# Altium PCB RS_Sensor.PcbDoc (continued)
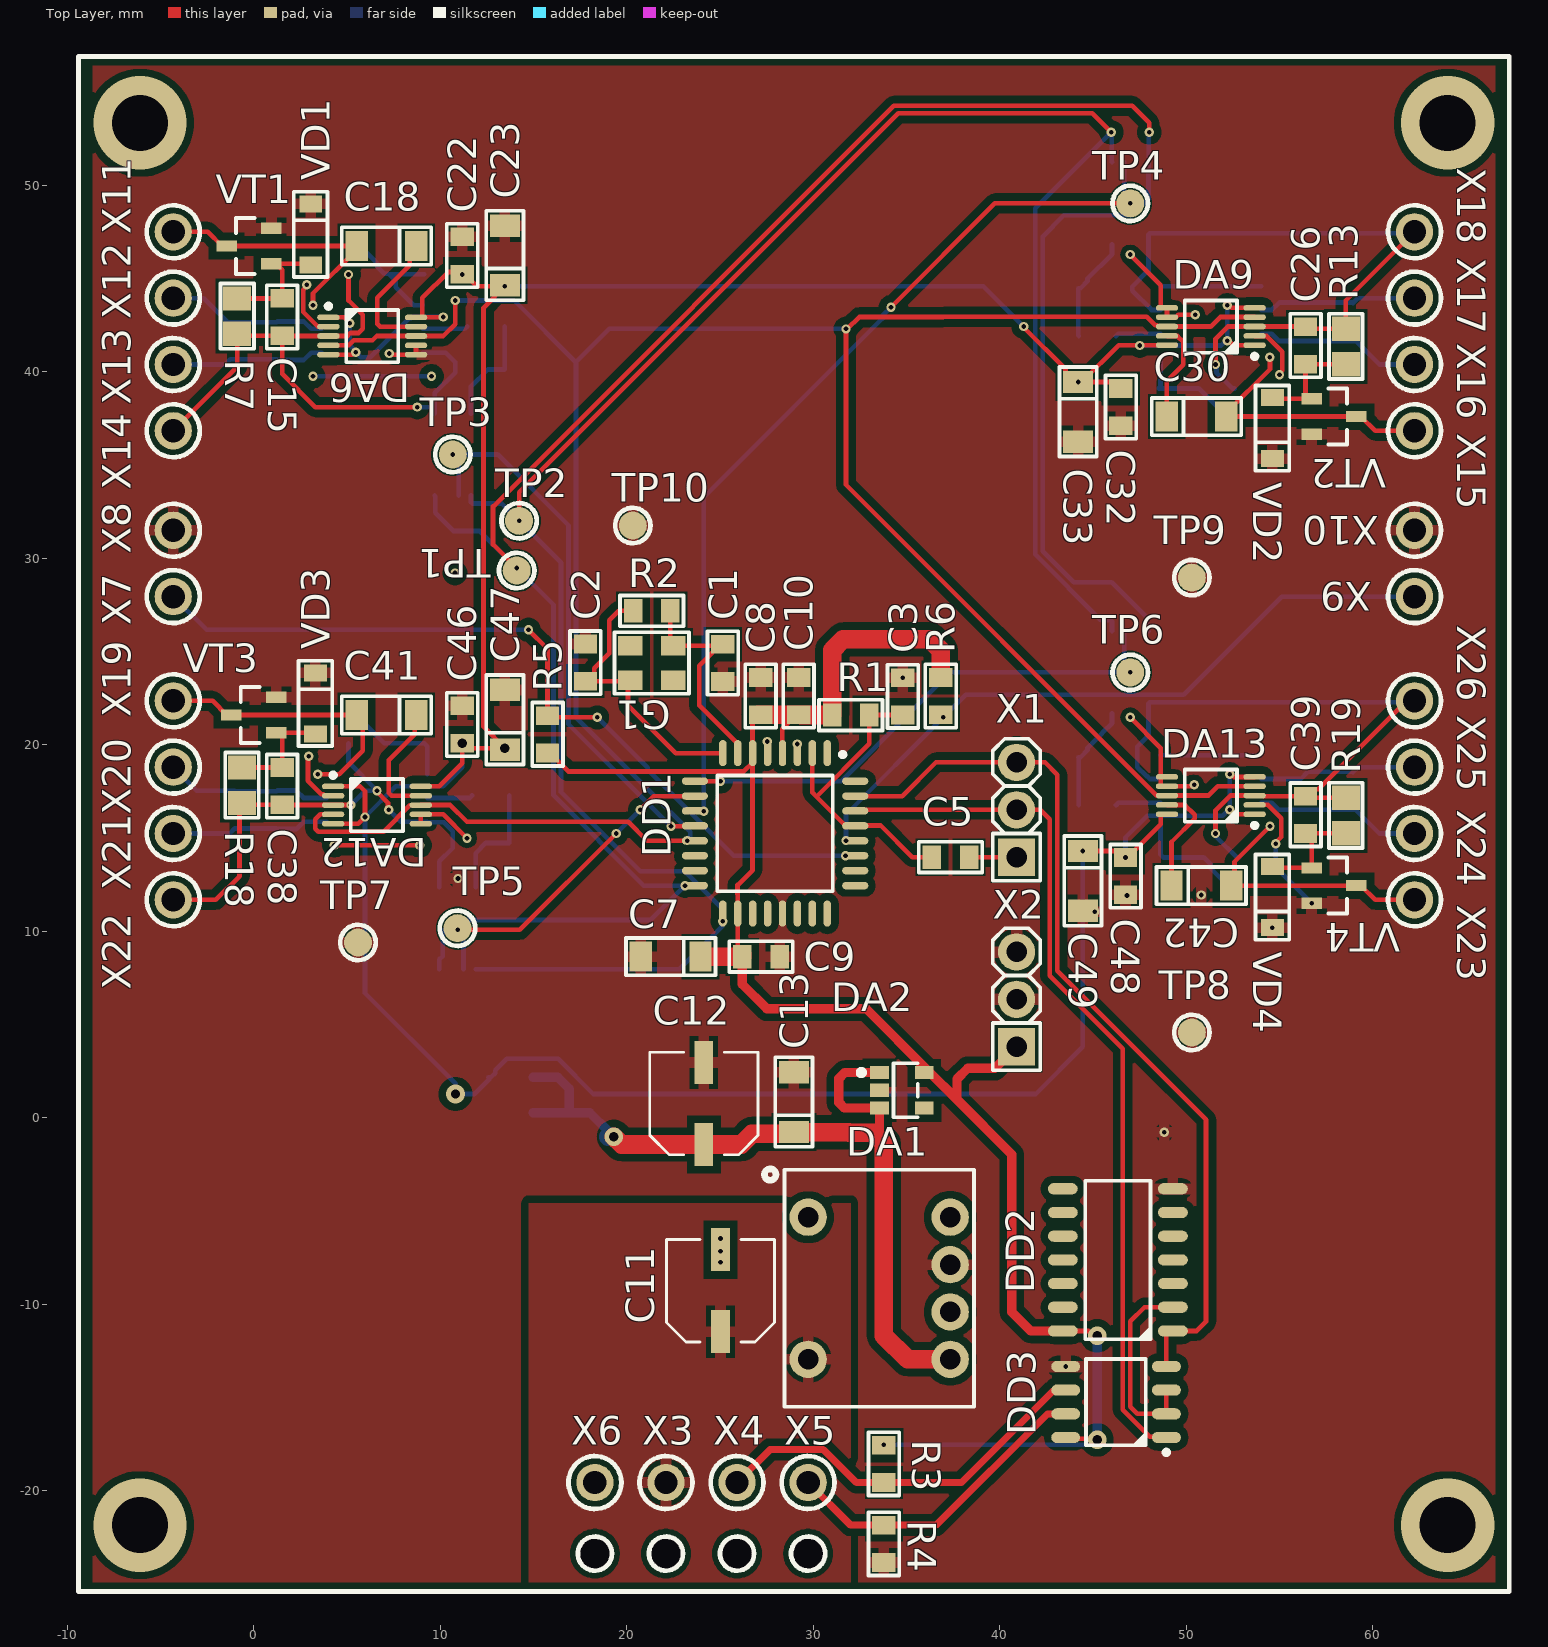
[diagram p0: Top Layer view]
## Components (designator, comment, footprint, x,y, rotation, side; value= is the part's Value field where it differs from the comment) (continued)

## Footprints (in the part's own frame and the unit in brackets; to place one, negate y for a bottom-side part, rotate by r counter-clockwise, add the part's x,y. Pads: shape width x height; smd on the part's side, far side on the other; paste and mask are expansions set on the pad)
8-MSOP [mm] "pitch 0.65 mm"
  rect 0.4x1.45 smd: 1(-0.975,-2.2) 2(-0.325,-2.2) 3(0.325,-2.2) 4(0.975,-2.2) 5(0.975,2.2) 6(0.325,2.2) 7(-0.325,2.2) 8(-0.975,2.2)
  round 0.5 on Bottom Overlay: ""(-1.675,-2.1)
  round 0.5 on Mech1: ""(-1.075,-2)
  silkscreen extent -1.42,-1.31 1.45,1.3, body extent -1.5,-2.45 1.5,2.45, height 1.15
8-SOIC [mm] "pitch 1.27 mm"
  rrect100% 1.55x0.6 smd: 1(-2.7,1.905) 2(-2.7,0.635) 3(-2.7,-0.635) 4(-2.7,-1.905) 5(2.7,-1.905) 6(2.7,-0.635) 7(2.7,0.635) 8(2.7,1.905)
  round 0.7 on Mech1: 28(-2.395,1.8)
  silkscreen extent -2.82,-2.3 1.61,2.82, body extent -3,-2.45 3,2.45, height 1.75
10-MSOP [mm] "3x3 mm, pitch 0.5 mm"
  rrect100% 1.2x0.3 smd: 1(-2.35,1) 2(-2.35,0.5) 3(-2.35,0) 4(-2.35,-0.5) 5(-2.35,-1) 6(2.35,-1) 7(2.35,-0.5) 8(2.35,0) 9(2.35,0.5) 10(2.35,1)
  round 0.5 on Mech1: ""(-2.1,1.1)
  silkscreen extent -2.47,-1.4 1.4,1.72, body extent -2.5,-1.5 2.5,1.5, height 1.1
14-SOIC [mm] "pitch 1.27 mm"
  rrect100% 1.6x0.6 smd: 1(0,0) 2(0,-1.27) 3(0,-2.54) 4(0,-3.81) 5(0,-5.08) 6(0,-6.35) 7(0,-7.62) 8(5.9,-7.62) 9(5.9,-6.35) 10(5.9,-5.08) 11(5.9,-3.81) 12(5.9,-2.54) 13(5.9,-1.27) 14(5.9,0)
  rrect100% 0.5x0.5 on Top Overlay: ""(0,0.8)
  round 0.5 on Mech1: ""(0.5,0)
  silkscreen extent 1.2,-8.05 4.7,0.45, body extent -0.12,-8.15 6.02,0.55, height 1.78
32-LQFP [mm] "pitch 0.8 mm"
  rrect100% 1.4x0.4 smd: 1(-4.3,2.8) 2(-4.3,2) 3(-4.3,1.2) 4(-4.3,0.4) 5(-4.3,-0.4) 6(-4.3,-1.2) 7(-4.3,-2) 8(-4.3,-2.8) 17(4.3,-2.8) 18(4.3,-2) 19(4.3,-1.2) 20(4.3,-0.4) 21(4.3,0.4) 22(4.3,1.2) 23(4.3,2) 24(4.3,2.8)
  rrect100% 0.4x1.4 smd: 9(-2.8,-4.3) 10(-2,-4.3) 11(-1.2,-4.3) 12(-0.4,-4.3) 13(0.4,-4.3) 14(1.2,-4.3) 15(2,-4.3) 16(2.8,-4.3) 25(2.8,4.3) 26(2,4.3) 27(1.2,4.3) 28(0.4,4.3) 29(-0.4,4.3) 30(-1.2,4.3) 31(-2,4.3) 32(-2.8,4.3)
  round 0.5 on Mech1: ""(-4,4)
  silkscreen extent -4.35,-3.1 3.1,3.75, body extent -4.57,-4.57 4.57,4.57, height 1.62
"CAP: 0805" [mm]
  rect 1x1.25 smd: 1(-1,0) 2(1,0)
  silkscreen extent -1.7,-0.82 1.7,0.82, body extent -1,-0.62 1,0.63, height 0.78
"CAP: TANTAL-A" [mm]
  rect 1.2x1.6 smd: 1(-1.6,0) 2(1.6,0)
  silkscreen extent -2.4,-1 2.4,1, body extent -1.7,-0.84 1.7,0.84, height 1.71
CAPAE-C [mm] "Aluminum Electrolytic Capacitor, Body 5,40x5,80x5,70mm, IPC Medium Density"
  rect 2.3x1 smd: 1(-2.2,0) 2(2.2,0)
  silkscreen extent -2.75,-2.9 2.75,2.9, body extent -3.25,-2.9 3.25,2.9, height 5.7
"CON: PLS-3" [mm]
  rect 2x2 hole 1.1: 1(-2.54,0)
  round 2 hole 1.1: 2(0,0) 3(2.54,0)
  silkscreen extent -3.81,-1.27 3.81,1.27, body extent -3.81,-1.27 3.81,1.27, height 8.54
"DIODE: SOD123" [mm]
  rect 0.91x1.22 smd: 1(0,0) 2(3.275,0)
  silkscreen extent -0.65,-0.9 3.93,0.9, body extent -0.25,-0.8 3.45,0.8, height 1.25
MOD_AM1P-Z [mm]
  round 2 hole 1.1: 1(-2.54,-6.35) 4(5.08,-6.35) 5(5.08,1.27) 6(2.54,1.27) 7(0,1.27) 8(-2.54,1.27)
  silkscreen extent -5.18,-8.74 7.62,2.54, body extent -5.08,-7.62 7.62,2.54, height 6.85
"OSC: 3225" [mm]
  rect 1.3x1.05 smd: 1(-1.15,-0.925) 2(1.15,-0.925) 3(1.15,0.925) 4(-1.15,0.925)
  round 0.5 on Top Overlay: ""(-2.5,-1.5)
  silkscreen extent -2,-1.65 2,1.65, body extent -1.6,-1.25 1.6,1.25, height 0.81
PowerSingle [mm]
  round 2 hole 1.25: 1(0,0)
  silkscreen extent -1.42,-1.42 1.42,1.42
"RES: 0805" [mm]
  rect 1x1.25 smd: 1(-1,0) 2(1,0)
  silkscreen extent -1.7,-0.82 1.7,0.82, body extent -1,-0.6 1,0.6, height 0.48
RES_0805 [mm]
  rect 1.3x1.5 smd mask+0: 1(1,0.127) 2(-0.9,0.127)
  silkscreen extent -1.7,-0.77 1.8,1.03
SOT23 [mm]
  rect 1.1x0.6 smd: 1(-1.2,0.95) 2(-1.2,-0.95) 3(1.2,0)
  round 0.5 on Mech1: ""(-0.9,1.1)
  silkscreen extent -0.3,-1.5 0.7,1.5, body extent -1.32,-1.52 1.32,1.52, height 1.12
SOT-23-5 [mm]
  rect 0.7x1 smd: 1(-0.9,-1.25) 2(0.05,-1.25) 3(1,-1.25) 4(1,1.15) 5(-0.9,1.15)
  silkscreen extent -1.4,-2.37 1.5,0.8, body extent -1.5,-1.5 1.5,1.5, height 1.3
TestPoint [mm]
  round 1.5 smd: 1(0,0)
  silkscreen extent -0.95,-0.95 0.95,0.95

## Part data
C1 C2: library part "22 pF 50V 5%", "50V 22pF C0G ±5% 0805 Multilayer Ceramic Capacitors MLCC - SMD/SMT ROHS", LCSC Part Number=C24658, Manufacturer="FH(Guangdong Fenghua Advanced Tech)", Tolerance=5%, Voltage="50 V", Capacitance="22 pF", Marker=0805CG220J500NT, Shop Link=?, Values="22 pF 50V 5%"
C3: library part "1 uF 50V 20%", "Ceramic capacitor 0805 surface mount", LCSC Part Number=C28323, Manufacturer="Samsung Electro-Mechanics", Tolerance=20%, Voltage="50 V", Capacitance="1 uF", Marker=CL21B105KBFNNNE, Shop Link=?, Values="1 uF 50V 20%"
C4 C6 C8 C9 C10: library part "100 pF 50V 5%", "Ceramic capacitor 0805 surface mount", LCSC Part Number=C1790, Manufacturer="Samsung Electro-Mechanics", Tolerance=5%, Voltage="50 V", Capacitance="100 pF", Marker=CL21C101JBANNNC, Shop Link=?, Values="100 pF 50V 5%"
C5: library part "0.1 uF 50V 20%", "Ceramic capacitor 0805 surface mount", LCSC Part Number=C49678, Manufacturer=Yageo, Tolerance=20%, Voltage="50 V", Capacitance="0.1 uF", Marker=CC0805KRX7R9BB104, Shop Link=?, Values="0.1 uF 50V 20%"
C7 C13 C14: library part "10uF 16V 10%", "10uF 16V 3Ω@100kHz -55℃~+125℃ ±10% CASE-A_3216 Tantalum Capacitors ROHS", CapValue="10 uF", LCSC Part Number=C7171, Manufacturer=AVX, Package="CASE A SMD 1206 (3216-18)", Tolerance=10%, Voltage="16 V", Marker=TAJA106K016RNJ
C11: library part "47uF 25V", "-45℃~+105℃ 1000hrs@105℃ 100uF 7.7mm 25V 6.3mm ±20% SMD,D6.3xL7.7mm Aluminum Electrolytic Capacitors - SMD ROHS", Capacitance="100 uF", LCSC Part Number=C176675, Manufacturer=Lelon, Voltage="25 V", Marker=VES101M1ETR-0607
C12: library part "47uF 25V", "1000hrs@105℃ -45℃~+105℃ 47uF 5.3mm 25V 6.3mm ±20% SMD,6.3x5.3mm Aluminum Electrolytic Capacitors - SMD ROHS", Capacitance="47 uF", LCSC Part Number=C176679, Manufacturer=Lelon, Voltage="25 V", Marker=VES470M1ETR-0605
C15 C16 C19 C22 C24 C26 C27 C31 C32 C35 C38 C39 C40 C44 C46 C48: library part "3.3 uF 16V 10%", "16V 3.3uF X7R ±10% 0805 Multilayer Ceramic Capacitors MLCC - SMD/SMT ROHS", LCSC Part Number=C38332, Manufacturer="FH(Guangdong Fenghua Advanced Tech)", Tolerance=10%, Voltage="16 V", Capacitance="3.3 uF", Marker=0805B335K160NT, Shop Link=?, Values="3.3 uF 16V 10%"
C17 C21 C25 C29 C34 C37 C43 C50: library part "2.2 nF 50V 10%", "50V 2.2nF X7R ±10% 0805 Multilayer Ceramic Capacitors MLCC - SMD/SMT ROHS", LCSC Part Number=C64592, Manufacturer="Samsung Electro-Mechanics", Tolerance=10%, Voltage="50 V", Capacitance="2.2 nF", Marker=CL21B222KBCNNNC, Shop Link=?, Values="2.2 nF 50V 10%"
C18 C23 C30 C33 C41 C42 C47 C49: library part "1uF 16V 10%", "1uF 16V -55℃~+125℃ ±10% CASE-A_3216 Tantalum Capacitors ROHS", CapValue="1 uF", LCSC Part Number=C7174, Manufacturer=AVX, Package="CASE A SMD 1206 (3216-18)", Tolerance=10%, Voltage="16 V", Marker=TAJA105K016RNJ
C20 C28 C36 C45: library part "1.5 nF 50V 20%(Ext)", "Ceramic capacitor 0805 surface mount", LCSC Part Number=C159768, Manufacturer="Samsung Electro-Mechanics", Tolerance=20%, Values="1.5 nF 50V 20%", Voltage="50 V", Capacitance="1.5 nF", Marker=CL21C152JBFNNNE, Shop Link=?
DA1: "1W, FIXED INPUT, ISOLATED & REGULATED  SINGLE OUTPUT DC-DC CONVERTER", LCSC Part Number=--, Manufacturer=AIMTEC, ComponentLink1Description="Shop Link", ComponentLink1URL=https://www.chipdip.ru/product0/8954725273, Isolation(DC)="1 kV", Marker=AM1P-1207SZ
DA2 DA3: "Micropower 100-mA Ultralow Dropout Regulator in SOT-23 Package", Input Voltage="6.5 - 7.5 V", LCSC Part Number=C3749295, Manufacturer="Texas Instruments Incorporated", Output Voltage="5 V", Marker=LP2981IM5-5.0
DA4 DA7 DA10 DA14: "Precision, Low Power, G = 10, 100  INSTRUMENTATION AMPLIFIER", LCS Part Number=C181633, Manufacturer="Texas Instruments", Marker=INA141UA
DA5 DA8 DA11 DA15: "3 mW, 100 kSPS,  16-Bit ADC", LCS Part Number=C578464, Manufacturer="Analog Devices", Marker=AD7680ARMZ
DA6 DA9 DA12 DA13: "MSOP-10 Analog Switches / Multiplexers ROHS", LCS Part Number=C140435, Manufacturer="Analog Devices", Marker=ADG884BRMZ
DD1: library part ATMega238P, Manufacturer=Atmel, Marker=ATMEGA32P
DD2: LCSC Part Number=C86613, Manufacturer="Shenzhen Fuman Elec", Marker=74HC04D
DD3: "Enhanced Low Power Half-Duplex / RS-485 Transceivers", LCSC Part Number=C23492, Manufacturer="UMW(Youtai Semiconductor Co., Ltd.", Marker=SP485EN
G1: "Crystals WE-XTAL 16.0MHz 50ppm 13.4 x 4.9mm", Frequency="16 MHz", Manufacturer=SDE, ComponentLink1Description="Shop Link", ComponentLink1URL=https://www.chipdip.ru/product0/8010208543, Marker=SMD03225C4-16000
R1 R5 R6: library part "10k 1% 1/8W", "LEAD-FREE THICK FILM CHIP RESISTORS", LCSC Part Number=C17414, Manufacturer="Uniroyal Elec", Power="1/8 W", Tolerance=1%, Marker=0805W8F1002T5E, Resistance="10 kOhm"
R2: library part "1M 1% 1/8W", "LEAD-FREE THICK FILM CHIP RESISTORS", LCSC Part Number=C17514, Manufacturer="Uniroyal Elec", Power="1/8 W", Tolerance=1%, Marker=0805W8F1004T5E, Resistance="1 MOhm"
R3 R4: library part "4.7k 1% 1/8W", "LEAD-FREE THICK FILM CHIP RESISTORS", LCSC Part Number=C17673, Manufacturer="Uniroyal Elec", Power="1/8 W", Tolerance=1%, Marker=0805W8F4701T5E, Resistance="4.7 kOhm"
R7 R13 R18 R19: library part "100k 1% 1/8W", "LEAD-FREE THICK FILM CHIP RESISTORS", LCSC Part Number=C17407, Manufacturer="Uniroyal Elec", Power="1/8 W", Tolerance=1%, Marker=0805W8F1003T5E, Resistance="100 kOhm"
R8 R11 R15 R20: library part "51R 1% 1/8W", "±1% 1/8W Thick Film Resistors 150V ±100ppm/℃ -55℃~+155℃ 51Ω 0805 Chip Resistor - Surface Mount ROHS", LCSC Part Number=C17738, Manufacturer="Uniroyal Elec", Power="1/8 W", Tolerance=1%, Marker=0805W8F510JT5E, Resistance="51 Ohm"
R9 R12 R16 R21: library part "750R 1% 1/8W", "±1% 125mW Thick Film Resistors 150V ±100ppm/℃ -55℃~+155℃ 750Ω 0805 Chip Resistor - Surface Mount ROHS", LCSC Part Number=C17818, Manufacturer="Uniroyal Elec", Power="1/8 W", Tolerance=1%, Marker=0805W8F7500T5E, Resistance="750 Ohm"
R10 R14 R17 R22: library part "100R 1% 1/8W", "LEAD-FREE THICK FILM CHIP RESISTORS", LCSC Part Number=C17408, Manufacturer="Uniroyal Elec", Power="1/8 W", Tolerance=1%, Marker=0805W8F1000T5E, Resistance="100 Ohm"
VD1 VD2 VD3 VD4: "100μA@1V ±5% 30Ω Single 2.38V~2.63V 500mW 2.5V SOD-123 Zener Diodes ROHS", Forward Continuous Current="20 mA", LCSC Part Number=C150078, Manufacturer=onsemi, Peak Repetitive Peak Reverse Voltage="2.5 V", Marker=MMSZ5222BT1G
VT1 VT2 VT3 VT4: "45V 225mW 500mA 160@100mA,1V 100MHz 700mV@500mA,50mA PNP -55℃~+150℃@(Tj) SOT-23(SOT-23-3) Bipolar Transistors - BJT ROHS", Continuous Collector Current="- 500 mA", LCSC Part Number=C152312, Manufacturer="ON Semiconductor", Power Dissipation="300 mW", Storage Temperature Range="-55 to + 175", Marker=BC807-25LT1G, Vceo="-45 V"
X11 X12 X13 X14 X15 X16 X17 X18 X19 X20 X21 X22 X23 X24 X25 X26: library part PowerSingleHole
X1 X2: Marker="PLS-1X3Pin 2.54"

## Via types
v1: diameter 0.5, hole 0.25, Top Layer to Bottom Layer, 80 vias
v2: diameter 1, hole 0.5, Top Layer to Bottom Layer, 6 vias
v3: diameter 5, hole 3, Top Layer to Bottom Layer, 4 vias

## Nets (pads, with @x,y where several pads share a name; then routed paths per layer and width w, separated by ;. In a path a pad name is that pad's centre, name@x,y a point inside that pad or via, vN(x,y) a via of type N, cw(c..) or ccw(c..) an arc to the next point about the centre after c; other vN are vias at no path point)
5V_Main: C22.1 C23.1 C32.1 C33.1 C46.1 C47.1 C48.1 C49.1 DA3.5 DA6.1 DA6.5 DA6.10 DA9.1 DA9.5 DA9.10 DA12.1 DA12.5 DA12.10 DA13.1 DA13.5 DA13.10 | length 195.4
  Top Layer w0.25: DA6.5 5.282,40.91 5.393,41.021 v1@5.461,41.021 ; DA6.1 4.842,42.91 v1(5.152,42.601) ; DA12.5 5.604,15.764 5.842,16.002 v1@5.842,16.123 ; DA12.1 5.696,17.764 5.963,17.497 v1(5.963,16.123) ; DA12.10 9.941,17.764 11.176,18.999 v2(11.176,20.082) 11.446,19.812 v2(13.462,19.812) ; v1(10.16,42.926) 10.152,42.918 DA6.10@9.01,42.918 ; C47.1@13.738,19.812 v2(13.462,19.812) ; v1(41.275,42.418) 41.275,42.367 43.521,40.121 43.521,39.921 43.996,39.446 C33.1@44.396,39.446 ; v1(44.45,14.3) 46.39,14.3 v1(46.736,13.954) 46.861,13.954 48.633,15.726 48.633,16.249 48.656,16.272 DA13.10 ; C32.1 46.136,39.446 C33.1@44.396,39.446 ; DA9.10 46.368,41.418 C33.1@44.396,39.446 ; v1(52.197,41.656) 52.265,41.656 52.503,41.418 DA9.1 ; v1(52.197,43.561) 52.265,43.561 52.408,43.418 DA9.5 ; v1(52.324,16.51) 52.392,16.51 52.63,16.272 DA13.1 ; v1(52.324,18.415) 52.392,18.415 52.535,18.272 DA13.5 ; DA6.10@9.01,42.918 9.025,42.933 9.025,43.95 10.414,45.339 11.049,45.339 v1(11.176,45.212) 11.317,45.212 11.952,44.577 v1(13.462,44.577) 12.319,43.434 12.319,20.955 v2(13.462,19.812) ; DA6.10@9.01,42.918 9.002,42.91 DA6.10 8.708,42.918 DA6.10@9.01,42.918
  Bottom Layer w0.25: v1(5.152,42.601) 5.152,41.415 5.461,41.106 v1(5.461,41.038) ; v1(5.461,41.038) 5.732,40.767 6.238,40.767 8.337,42.866 8.449,42.866 8.509,42.926 v1(10.16,42.926) ; v2(11.176,20.082) 11.176,18.796 10.158,17.778 7.618,17.778 v1(5.963,16.123) 5.963,6.673 10.816,1.82 v2(10.816,1.27) 11.816,1.27 DA3.5@12.641,2.095 ; DA3.5 12.716,2.17 12.941,2.395 12.941,2.545 13.566,3.17 16.312,3.17 18.212,1.27 41.91,1.27 44.45,3.81 v1(44.45,14.3) ; v1(13.462,44.577) 39.116,44.577 v1(41.275,42.418) ; v1(44.196,39.446) v1@44.196,39.471 ; v1(46.736,13.954) 46.736,15.037 47.895,16.196 51.942,16.196 52.256,16.51 v1(52.324,16.51) v1(52.324,18.415) ; v1(47.498,41.402) 51.875,41.402 52.129,41.656 v1(52.197,41.656) v1(52.197,43.561)
5V_MCU: C4.2 C6.2 C7.1 C8.2 C9.2 C10.2 DA2.5 DD1.4 DD1.6 DD1.18 DD2.14 DD3.8 R1.2 R3.2 R5.2 R6.2 X2.1 | length 102.1
  Top Layer w0.25: R5.2 15.873,19.558 16.866,18.565 26.265,18.565 DD1.6@26.74,19.04 ; C9.2@26.194,8.761 25.94,9.015 25.94,11.981 25.937,11.984 25.937,12.475 26.74,13.278 DD1.6@26.74,19.04 ; C8.2@27.053,21.606 26.74,21.293 DD1.6@26.74,19.04 ; DD1.4@28.34,19.54 28.34,20.861 C10.2@29.085,21.606 ; DD2.14 44.755,-11.43 45.009,-11.684 v2(45.212,-11.684) ; DD3.8 43.592,-17.209 45.148,-17.209 v2(45.212,-17.272)
  Top Layer w0.5: C9.2 26.194,7.156 27.508,5.842 32.83,5.842 DA2.5@36.173,2.499 ; DA2.5 36.098,2.424 DA2.5@36.173,2.499 ; X2.1 39.733,2.649 38.273,2.649 37.698,2.074 37.698,0.974 ; DD2.14@43.076,-11.43 41.656,-11.43 40.64,-10.414 40.64,-1.968 37.698,0.974 ; DA2.5@36.173,2.499 37.698,0.974
  Top Layer w1: C7.1 C9.2 C9.2@26.194,8.761 ; C8.2@27.053,21.606 C8.2 29.085,21.606 C10.2 29.335,21.606 29.351,21.59 R1.2 31.004,25.068 31.59,25.654 36.244,25.654 36.83,25.068 R6.2
  Bottom Layer w0.25: v1(33.782,-17.526) 44.958,-17.526 v2(45.212,-17.272) ; C6.2@45.212,-11.7 C6.2 v2(45.212,-11.684)
  Bottom Layer w0.5: v2(45.212,-17.272) C6.2@45.212,-11.7
AGND: C1.1 C2.1 C3.1 C4.1 C6.1 C7.2 C8.1 C9.1 C10.1 C12.2 C13.2 C14.2 C16.1 C17.1 C19.1 C21.1 C22.2 C23.2 C24.1 C25.1 C27.1 C29.1 C31.1 C32.2 C33.2 C34.1 C35.1 C37.1 C40.1 C43.1 C44.1 C46.2 C47.2 C48.2 C49.2 C50.1 DA1.7 DA2.2 DA3.2 DA5.2 DA5.3 DA6.2 DA6.6 DA6.7 DA8.2 DA8.3 DA9.2 DA9.6 DA9.7 DA11.2 DA11.3 DA12.2 DA12.6 DA12.7 DA13.2 DA13.6 DA13.7 DA15.2 DA15.3 DD1.3 DD1.5 DD1.21 DD2.7 DD3.5 R4.2 R10.1 R14.1 R17.1 R22.1 TP7.1 TP8.1 TP9.1 TP10.1 VD1.2 VD2.2 VD3.2 VD4.2 VT1.2 VT2.2 VT3.2 VT4.2 X2.2 X2.3 X8.1 X10.1 | length 34.1
  Top Layer w0.25: v1(2.845,44.653) 2.845,44.586 2.65,44.391 2.65,43.197 3.427,42.42 3.99,42.42 DA6.2 ; v1(2.946,19.38) 2.904,19.338 2.904,18.063 3.628,17.339 3.715,17.339 3.79,17.264 DA12.2 ; v1(7.264,40.97) 7.332,40.97 7.392,40.91 DA6.6 DA6.7 ; DA12.6 DA12.7 10.152,16.264 v1(11.43,14.986) ; v1(46.99,21.463) 48.633,19.82 48.633,17.795 48.656,17.772 DA13.7 50.267,17.772 50.351,17.856 v1(50.419,17.856) ; v1(46.99,46.279) 48.633,44.636 48.633,43.441 48.656,43.418 DA9.6 DA9.7 49.422,42.918 49.557,43.053 v1(50.47,43.053) ; DA13.2 54.371,16.772 55.089,16.054 55.089,15.05 54.788,14.749 v1(54.788,14.681) ; DA9.2 53.668,41.908 54.307,41.908 55.143,41.072 55.143,40.047 54.991,39.895 v1(54.991,39.827)
  Bottom Layer w0.25: v1(54.788,14.681) 54.788,13.42 v1(56.712,11.496)
  other v1: 43.528,-13.335 48.81,-0.784 54.61,10.187 45.085,11.049 46.817,11.911 50.8,11.938 10.947,12.827 29.134,20.041 27.534,20.168 34.798,23.59
EXT_ADC_EN: DA6.4 DA6.8 DA9.4 DA9.8 DA12.4 DA12.8 DA13.4 DA13.8 DD1.13 | length 143.2
  Top Layer w0.25: DA6.4 5.091,41.41 5.356,41.676 6.366,41.676 6.6,41.91 DA6.8 10.16,41.91 10.795,42.545 v1(10.795,43.815) ; DA12.4 4.253,16.263 3.563,16.263 3.302,16.002 3.302,15.494 3.457,15.339 6.957,15.339 8.372,16.754 8.944,16.754 DA12.8 10.541,16.764 11.43,15.875 20.066,15.875 21.082,14.859 v1(23.241,14.859) 23.621,14.859 DD1.13@23.64,14.84 ; DA13.4 53.65,17.78 51.689,17.78 51.181,17.272 DA13.8 48.407,17.272 31.75,33.929 v1(31.75,42.291) 31.818,42.291 32.453,42.926 36.964,42.926 36.981,42.943 47.882,42.943 48.332,42.493 48.419,42.493 48.494,42.418 DA9.8 51.308,42.418 51.816,42.926 53.65,42.926 DA9.4
  Bottom Layer w0.25: v1(10.795,43.815) 13.97,43.815 17.272,40.513 ; v1(23.241,14.859) 23.241,14.927 23.397,15.083 23.397,15.338 17.272,21.463 17.272,40.513 ; v1(31.75,42.291) 19.05,42.291 17.272,40.513
INPUT_12V: C11.1 DA1.4 X3.1
INPUT_GND: C11.2 DA1.1 X6.1
  other v1: 25.019,-7.747 25.019,-7.153 25.019,-6.477
nCS_0: DA5.6 DD1.12 TP3.1 | length 29.8
  Top Layer w0.25: v1(22.372,15.621) 22.381,15.631 23.631,15.631 DD1.12@23.64,15.64
  Bottom Layer w0.25: DA5.6 10.993,35.235 v1(10.668,35.56) 13.081,35.56 16.872,31.769 16.872,21.101 22.352,15.621 v1(22.372,15.621)
nCS_1: DA8.6 DD1.11 TP4.1 | length 48.6
  Top Layer w0.25: v1(34.163,43.451) 39.734,49.022 v1(46.99,49.022)
  Bottom Layer w0.25: v1(24.13,16.434) 24.13,33.274 33.705,42.849 33.705,42.993 v1(34.163,43.451) ; DA8.6 46.665,49.415 46.99,49.09 v1(46.99,49.022)
nCS_2: DA11.6 DD1.10 TP5.1 | length 17.9
  Top Layer w0.25: v1(10.943,10.074) 14.265,10.074 v1(19.431,15.24) ; v1(20.711,16.52) 21.431,17.24 DD1.10@23.64,17.24
  Bottom Layer w0.25: v1(10.943,10.074) 10.943,10.006 11.247,9.702 DA11.6 ; v1(19.431,15.24) v1(20.711,16.52)
nCS_3: DA15.6 DD1.9 TP6.1 | length 28.1
  Top Layer w0.25: DD1.9@23.64,18.04 23.643,18.037 25.016,18.037 v1(25.019,18.034)
  Bottom Layer w0.25: v1(25.019,18.034) 31.496,18.034 37.338,23.876 v1(46.99,23.876) 46.99,23.944 46.665,24.269 DA15.6
NetC5_2: C5.2 X1.1 | length 2.5
  Top Layer w0.25: C5.2 X1.1
NetC15_1: C15.1 R7.1 VD1.1 VT1.1 | length 6.5
  Top Layer w0.25: R7.1 C15.1 1.524,45.458 VT1.1@1.196,45.786 ; VT1.1 VT1.1@1.196,45.786 ; VD1.1 2.982,45.786 VT1.1@1.196,45.786
NetC16_2: C16.2 DA5.4 R8.2 | length 5.9
  Bottom Layer w0.25: DA5.4 11.643,39.202 12.557,40.116 C16.2 13.446,40.132 R8.2
NetC18_1: C18.1 DA6.9 | length 7.2
  Top Layer w0.25: DA6.9 6.769,42.41 6.623,42.556 6.623,43.961 8.369,45.707 8.369,46.393 C18.1
NetC19_2: C19.2 DA4.5 R9.1 R10.2 | length 7.7
  Bottom Layer w0.25: R9.1 5.205,47.212 6.612,45.805 6.612,45.619 6.987,45.244 R10.2 7.237,45.244 R10.2@7.253,45.228 ; DA4.5 8.575,43.561 7.612,44.524 7.612,44.869 R10.2@7.253,45.228 ; C19.2 R10.2@7.253,45.228
NetC24_2: C24.2 DA8.4 R11.2 | length 5.8
  Bottom Layer w0.25: R11.2 44.196,41.942 C24.2 44.321,44.466 44.696,44.841 44.696,44.978 46.015,46.297 DA8.4
NetC26_1: C26.1 R13.1 VD2.1 VT2.1 | length 6.1
  Top Layer w0.25: VD2.1 54.676,38.542 56.563,38.542 56.388,38.717 C26.1 R13.1
NetC27_2: C27.2 DA7.5 R12.1 R14.2 | length 6.7
  Bottom Layer w0.25: DA7.5 48.608,39.194 C27.2 R14.2 50.671,39.1 52.078,37.693 52.078,37.475 52.453,37.1 R12.1
NetC30_1: C30.1 DA9.9 | length 5.4
  Top Layer w0.25: C30.1 48.946,39.487 49.833,40.374 49.833,41.594 49.519,41.908 48.968,41.908 DA9.9
NetC31_2: C31.2 DA11.4 R15.2 | length 6.4
  Bottom Layer w0.25: DA11.4 11.897,14.183 12.446,14.732 13.7,14.732 R15.2
NetC35_2: C35.2 DA10.5 R16.1 R17.2 | length 6.4
  Bottom Layer w0.25: R16.1@5.216,21.853 6.987,20.082 R17.2 C35.2 9.304,19.922 DA10.5
NetC38_1: C38.1 R18.1 VD3.1 VT3.1 | length 6.2
  Top Layer w0.25: R18.1 C38.1 1.524,20.465 VT3.1@1.349,20.64 ; VT3.1 VT3.1@1.349,20.64 ; VD3.1 3.236,20.64 VT3.1@1.349,20.64
NetC39_1: C39.1 R19.1 VD4.1 VT4.1 | length 6.3
  Top Layer w0.25: VD4.1 54.676,13.396 VT4.1 56.712,14.916 C39.1 56.404,15.256 R19.1
NetC40_2: C40.2 DA15.4 R20.2 | length 5.8
  Bottom Layer w0.25: R20.2 44.228,19.288 C40.2 44.321,19.32 44.696,19.695 44.696,19.82 45.496,20.62 45.496,20.632 46.015,21.151 DA15.4
NetC41_1: C41.1 DA12.9 | length 6.6
  Top Layer w0.25: C41.1 8.623,21.501 8.623,20.561 7.239,19.177 7.239,17.41 7.385,17.264 DA12.9
NetC42_1: C42.1 DA13.9 | length 6
  Top Layer w0.25: DA13.9 48.968,16.762 49.921,16.762 50.446,16.237 50.446,16.029 49.2,14.783 C42.1
NetC44_2: C44.2 DA14.5 R21.1 R22.2 | length 6.8
  Bottom Layer w0.25: DA14.5 48.608,14.114 C44.2 R22.2 50.925,13.954 51.3,13.579 51.3,13.361 52.707,11.954 R21.1
NetDA4_1: DA4.1 DA4.8 | length 6.3
  Bottom Layer w0.25: v1(3.175,39.751) DA4.1 DA4.8 v1(9.525,39.751)
NetDA4_6: DA4.6 R8.1 | length 2.4
  Bottom Layer w0.25: DA4.6 11.319,42.291 R8.1
NetDA7_1: DA7.1 DA7.8 | length 5.4
  Bottom Layer w0.25: DA7.8 DA7.1
NetDA7_6: DA7.6 R11.1 | length 2.4
  Bottom Layer w0.25: R11.1 46.355,42.037 DA7.6
NetDA10_1: DA10.1 DA10.8 | length 4.6
  Top Layer w0.25: v1(4.318,14.605) v1(8.89,14.605)
NetDA10_6: DA10.6 R15.1 | length 2.4
  Bottom Layer w0.25: DA10.6 11.573,17.145 R15.1
NetDA14_1: DA14.1 DA14.8 | length 5.4
  Bottom Layer w0.25: DA14.8 DA14.1
NetDA14_6: DA14.6 R20.1 | length 2.4
  Bottom Layer w0.25: R20.1 46.355,16.891 DA14.6
nRESET: C3.2 C5.1 DD1.2 DD1.29 R1.1 | length 17.3
  Top Layer w0.25: DD1.2@29.94,19.54 29.94,17.44 30.167,17.213 ; C3.2 R1.1 33.004,20.05 30.167,17.213 ; C5.1 35.306,13.97 33.607,15.669 32.269,15.669 32.24,15.64 31.74,15.64 30.167,17.213
POWER_MOD_+5V_0: C15.2 DA4.7 DA5.1 DA6.3 R7.2 R9.2 X14.1 | length 33.2
  Top Layer w0.25: X14.1 -0.889,40.259 R7.2 -0.789,41.926 C15.2 ; v1(5.08,45.212) 5.08,43.815 5.842,43.053 5.842,42.291 5.627,42.076 5.19,42.076 5.025,41.91 DA6.3 1.54,41.91 C15.2 ; v1(8.763,38.1) 3.302,38.1 1.524,39.878 C15.2
  Bottom Layer w0.25: v1(8.763,38.1) 9.618,38.1 9.693,38.025 DA5.1 9.705,37.772 9.705,38.86 10.795,39.95 10.795,40.513 10.287,41.021 DA4.7
POWER_MOD_+5V_1: C26.2 DA7.7 DA8.1 DA9.3 R12.2 R13.2 X18.1 | length 36.8
  Top Layer w0.25: v1(51.562,40.386) 51.562,41.763 52.217,42.418 DA9.3 56.372,42.418 C26.2 56.488,42.302 R13.2 58.547,43.815 X18.1
  Bottom Layer w0.25: DA7.7 48.133,43.307 47.094,44.346 47.094,44.554 47.965,45.425 DA8.1 47.965,47.347 48.04,47.422 62.154,47.422 X18.1 ; v1(51.562,40.386) 51.61,40.338 51.61,39.943 52.453,39.1 R12.2
POWER_MOD_+5V_2: C38.2 DA10.7 DA11.1 DA12.3 R16.2 R18.2 X22.1 | length 27.3
  Top Layer w0.25: X22.1 -2.032,11.684 -0.762,12.954 -0.762,16.753 R18.2 -0.535,16.78 C38.2 1.54,16.764 DA12.3 v1(5.207,16.764) ; v1(6.604,17.526) 6.604,17.48 7.191,16.893 7.191,16.558 v1(7.239,16.51)
  Bottom Layer w0.25: R16.2 5.08,19.05 v1(6.604,17.526) 5.969,17.526 v1(5.207,16.764) ; v1(7.239,16.51) 7.874,15.875 DA10.7 9.344,15.835 10.193,15.835 10.668,15.36 10.668,14.46 9.947,13.74 DA11.1
POWER_MOD_+5V_3: C39.2 DA13.3 DA14.7 DA15.1 R19.2 R21.2 X26.1 | length 37.9
  Top Layer w0.25: v1(51.562,15.24) 51.562,16.49 52.344,17.272 DA13.3 54.122,17.272 54.154,17.24 C39.2 ; R19.2 56.472,17.156 C39.2 ; X26.1 61.813,22.352 57.076,17.615 56.763,17.615 C39.2
  Bottom Layer w0.25: DA14.7 48.038,18.161 47.874,18.325 47.842,18.325 47.371,18.796 47.371,19.893 47.965,20.487 DA15.1 47.965,22.201 48.04,22.276 62.154,22.276 X26.1 ; v1(51.562,15.24) 51.61,15.192 51.61,15.051 52.707,13.954 R21.2
POWER_MOD_-5V_0: C18.2 DA4.4 VT1.3 X11.1 | length 14.3
  Top Layer w0.25: X11.1 -2.466,47.498 -1.704,46.736 VT1.3 C18.2 5.512,46.536 3.175,44.199 v1(3.175,43.561)
POWER_MOD_-5V_1: C30.2 DA7.4 VT2.3 X15.1 | length 14.5
  Top Layer w0.25: v1(54.466,40.767) 54.483,40.75 54.483,40.129 52.146,37.792 C30.2 VT2.3 59.362,37.592 60.124,36.83 X15.1
POWER_MOD_-5V_2: C41.2 DA10.4 VT3.3 X19.1 | length 15.1
  Top Layer w0.25: X19.1 -2.212,22.352 -1.45,21.59 VT3.3 C41.2 5.842,21.26 5.842,19.685 4.572,18.415 v1(3.429,18.415)
POWER_MOD_-5V_3: C42.2 DA14.4 VT4.3 X23.1 | length 14.2
  Top Layer w0.25: v1(54.483,15.621) 52.578,13.716 52.578,12.624 C42.2 VT4.3 59.362,12.446 60.124,11.684 X23.1
RS485_N: DD3.7 R4.1 X5.1 | length 17.2
  Top Layer w0.381: X5.1 32.004,-21.844 R4.1 36.576,-21.844 42.545,-15.875 DD3.7
RS485_P: DD3.6 R3.1 X4.1 | length 21.1
  Top Layer w0.381: X4.1 27.686,-17.78 30.526,-17.78 32.304,-19.558 R3.1 37.945,-19.558 42.856,-14.647 43.486,-14.647 DD3.6
RS-485_Ctrl: DD2.2 DD3.2 DD3.3 | length 10.5
  Top Layer w0.25: DD3.3 DD3.2 47.371,-15.875 46.99,-15.494 46.99,-10.922 47.752,-10.16 DD2.2
RX_MCU: DD1.30 DD3.1 X1.2 | length 46.9
  Top Layer w0.25: DD1.30@32.24,16.44 32.781,16.44 32.851,16.51 X1.2 42.164,16.51 42.672,16.002 42.672,7.62 46.59,3.702 46.59,-15.66 48.037,-17.107 48.89,-17.107 DD3.1
S0_IN+: C17.2 C20.1 DA4.3 X12.1 | length 8.7
  Bottom Layer w0.25: X12.1 -2.681,43.942 -1.395,42.656 C20.1 1.238,42.656 C17.2 2.683,42.688 3.08,42.291 DA4.3
S0_IN-: C20.2 C21.2 DA4.2 X13.1 | length 8.3
  Bottom Layer w0.25: X13.1 -1.54,40.386 C20.2 1.238,40.656 C21.2 2.683,40.624 3.08,41.021 DA4.2
S1_IN+: C25.2 C28.1 DA7.3 X16.1 | length 8.9
  Bottom Layer w0.25: DA7.3 54.578,42.037 54.975,41.64 C25.2 59.021,41.64 59.053,41.672 60.339,40.386 X16.1
S1_IN-: C28.2 C29.2 DA7.2 X17.1 | length 8.5
  Bottom Layer w0.25: DA7.2 54.578,43.307 54.975,43.704 C29.2 58.896,43.704 C28.2 59.198,43.942 X17.1
S2_IN+: C34.2 C36.1 DA10.3 X20.1 | length 8.9
  Bottom Layer w0.25: X20.1 -3.048,17.526 -1.032,17.526 C36.1 1.238,17.51 C34.2 2.27,17.542 2.667,17.145 DA10.3
S2_IN-: C36.2 C37.2 DA10.2 X21.1 | length 8.5
  Bottom Layer w0.25: X21.1 -1.286,15.24 C36.2 1.238,15.51 C37.2 2.27,15.478 2.667,15.875 DA10.2
S3_IN+: C43.2 C45.1 DA14.3 X24.1 | length 8.9
  Bottom Layer w0.25: DA14.3 54.578,16.891 54.959,16.51 C43.2 58.912,16.51 C45.1 59.053,16.526 60.339,15.24 X24.1
S3_IN-: C45.2 C50.2 DA14.2 X25.1 | length 8.5
  Bottom Layer w0.25: DA14.2 56.12,18.161 56.517,18.558 C50.2 58.896,18.558 C45.2 59.198,18.796 X25.1
SCLK: DA5.5 DA8.5 DA11.5 DA15.5 DD1.17 TP2.1 | length 119.4
  Top Layer w0.25: v1(14.224,32.004) 14.224,33.528 34.544,53.848 44.958,53.848 v1(45.974,52.832)
  Bottom Layer w0.25: DA5.5 11.643,33.006 11.718,32.931 13.297,32.931 16.472,29.756 16.472,17.457 20.721,13.208 23.094,13.208 25.136,11.166 25.136,10.551 v1(25.146,10.541) 25.098,10.493 25.098,10.239 22.819,7.96 DA11.5 ; DA15.5 46.015,26.601 45.94,26.676 45.415,26.676 41.891,30.2 41.891,48.749 v1(45.974,52.832) 45.995,52.811 45.995,51.243 DA8.5
SDAT: DA5.8 DA8.8 DA11.8 DA15.8 DD1.16 TP1.1 | length 128.3
  Top Layer w0.25: v1(14.089,29.472) 12.827,30.734 12.827,32.766 34.309,54.248 47.098,54.248 48.006,53.34 v1(48.006,52.832)
  Bottom Layer w0.25: DA5.8 9.726,33.327 9.726,32.438 10.709,31.455 12.106,31.455 16.072,27.489 16.072,17.291 20.917,12.446 v1(23.114,12.446) 21.267,10.599 10.726,10.599 10.122,9.995 10.122,8.66 9.947,8.485 DA11.8 ; DA15.8 47.89,26.151 47.89,26.805 47.79,26.905 47.79,26.915 46.003,28.702 43.955,28.702 42.291,30.366 42.291,47.244 43.423,48.376 47.087,48.376 47.965,49.255 DA8.8 47.985,51.242 47.985,52.811 v1(48.006,52.832)
TEMP_0: DD1.27 R5.1 X7.1 | length 44
  Top Layer w0.25: v1(14.726,26.156) 15.748,25.133 R5.1 15.843,21.463 v1(18.415,21.463)
  Bottom Layer w0.25: X7.1 -2.534,26.156 v1(14.726,26.156) ; v1(18.415,21.463) 21.124,18.754 21.124,18.646 25.724,14.046 v1(31.725,14.046)
TEMP_1: DD1.28 R6.1 X9.1 | length 36.7
  Bottom Layer w0.25: v1(31.75,14.859) 31.75,16.256 v1(36.957,21.463) 38.17,22.676 49.854,22.676 55.118,27.94 X9.1
TX_MCU: DD1.31 DD2.1 DD3.4 X1.3 | length 48.6
  Top Layer w0.25: DD1.31@32.24,17.24 34.766,17.24 36.576,19.05 X1.3 42.418,19.05 43.072,18.396 43.072,7.874 51.054,-0.108 51.054,-10.922 50.546,-11.43 DD2.1 49.09,-11.43 48.928,-11.592 DD3.4
VDD_7V: C12.1 C13.1 C14.1 DA1.5 DA2.1 DA2.3 DA3.1 DA3.3 | length 45.4
  Top Layer w0.5: 33.548,-1.153 DA2.3 31.662,0.524 31.369,0.817 31.369,2.107 31.686,2.424 DA2.1
  Top Layer w1: v2(19.304,-1.016) 19.726,-1.438 C12.1 26.13,-1.438 26.706,-0.862 28.856,-0.862 C13.1 28.963,-0.769 31.891,-0.769 31.923,-0.801 33.196,-0.801 33.548,-1.153 33.782,-1.387 33.782,-11.684 35.052,-12.954 DA1.5
  Bottom Layer w0.5: DA3.3 16.916,0.27 ; DA3.1 16.296,2.17 16.916,1.549 16.916,0.27 ; C14.1@19.004,-0.716 18.018,0.27 16.916,0.27
  Bottom Layer w1: C14.1@19.004,-1.016 v2(19.304,-1.016)
XTAL_16M_1: C1.2 DD1.7 G1.1 R2.2 | length 11.7
  Top Layer w0.25: R2.2 22.336,25.459 G1.1 C1.2@24.946,25.309 ; C1.2 25.021,25.384 C1.2@24.946,25.309 ; DD1.7@25.94,19.54 25.94,20.04 23.876,22.104 23.876,24.239 C1.2@24.946,25.309
XTAL_16M_2: C2.2 DD1.8 G1.3 R2.1 | length 15.2
  Top Layer w0.25: G1.3 G1.3@20.127,23.4 ; R2.1 19.558,27.178 19.05,26.67 19.05,24.892 18.247,24.089 18.247,23.775 17.872,23.4 C2.2 G1.3@20.127,23.4 ; DD1.8@25.14,19.54 22.624,19.54 20.066,22.098 20.066,23.339 G1.3@20.127,23.4
pads on no net: DA1.6 DA1.8 DA2.4 DA3.4 DA4.28 DA5. DA5.7 DA6. DA7.28 DA8. DA8.7 DA9. DA10.28 DA11. DA11.7 DA12. DA13. DA14.28 DA15. DA15.7 DD1. DD1.1 DD1.14 DD1.15 DD1.19 DD1.20 DD1.22 DD1.23 DD1.24 DD1.25 DD1.26 DD1.32 DD2. DD2.3 DD2.4 DD2.5 DD2.6 DD2.8 DD2.9 DD2.10 DD2.11 DD2.12 DD2.13 DD3.28 G1. G1.2 G1.4 VT1. VT2. VT3. VT4.
copper on no net:
  other v1: 10.789,29.204
  other v3: -6.096,-21.844 64.008,-21.844 -6.096,53.34 64.008,53.34

## Polygon pours and split planes (outlines as drawn)
AGND on Bottom Layer "AGND_L02_P002" (solid, pour order 2): -8.636,56.388 -8.636,-24.892 66.548,-24.892 66.548,56.388
INPUT_GND on Bottom Layer "INPUT_GND_L02_P000" (solid, pour order 0): 14.732,-24.892 14.732,-4.572 32.004,-4.572 32.004,-24.892
AGND on Top Layer "AGND_L01_P003" (solid, pour order 3): -8.636,56.388 -8.636,-24.892 66.548,-24.892 66.548,56.388
INPUT_12V on Top Layer "INPUT_12V_L01_P001" (solid, pour order 1): 14.732,-24.892 14.732,-4.572 32.004,-4.572 32.004,-24.892

## Other copper
Top Layer:
  pour cut-out: 22.098,-24.284 cw(c22.098,-23.368) 21.182,-23.368 cw(c22.098,-23.368) 22.098,-22.452 cw(c22.098,-23.368) 23.014,-23.368 cw(c22.098,-23.368)

## Silkscreen, mask and mechanical layers (free items; w line width, h text height)
Top Overlay:
  circle w0.254: c29.718,-23.368 r0.916
  circle w0.254: c25.908,-23.368 r0.916
  circle w0.254: c22.098,-23.368 r0.916
  circle w0.254: c18.288,-23.368 r0.916
  lines w0.254: -9.398,-25.4 67.31,-25.4 67.31,56.896 -9.398,56.896 -9.398,-25.4
Bottom Overlay:
  drawing of 50 lines, arcs and shapes, not listed
  text "-5V" at -6.477,50.673 h1.52 r90
  text "+5V" at 64.389,46.101 h1.52 r270
  text "S+" at -6.35,45.085 h1.52 r90
  text "S-" at 64.389,42.799 h1.52 r270
  text "S-" at -6.477,41.148 h1.52 r90
  text "S+" at 64.389,39.116 h1.52 r270
  text "+5V" at -6.477,37.338 h1.52 r90
  text "-5V" at 64.262,33.528 h1.52 r270
  text "G" at 60.579,33.02 h1.52 r90
  text "G" at -2.159,31.877 h1.52 r270
  text "T_1" at 60.071,29.718 h1.52 r90
  text "-5V" at -6.477,25.781 h1.52 r90
  text "T_0" at -2.159,25.781 h1.52 r270
  text "+5V" at 64.389,21.209 h1.52 r270
  text "S+" at -6.477,19.939 h1.52 r90
  text "S-" at 64.389,17.526 h1.52 r270
  text "S-" at -6.477,16.002 h1.52 r90
  text "S+" at 64.389,13.716 h1.52 r270
  text "+5V" at -6.477,12.065 h1.52 r90
  text "-5V" at 64.262,8.382 h1.52 r270
  text "A" at 25.527,-17.145 h1.52 r270
  text "B" at 28.956,-17.145 h1.52 r270
  text "GND" at 17.399,-17.653 h1.52 r270
  text "12V" at 21.463,-17.653 h1.52 r270